# KiCad board data-center-rdimm-ddr4-tester.kicad_pcb (continued)
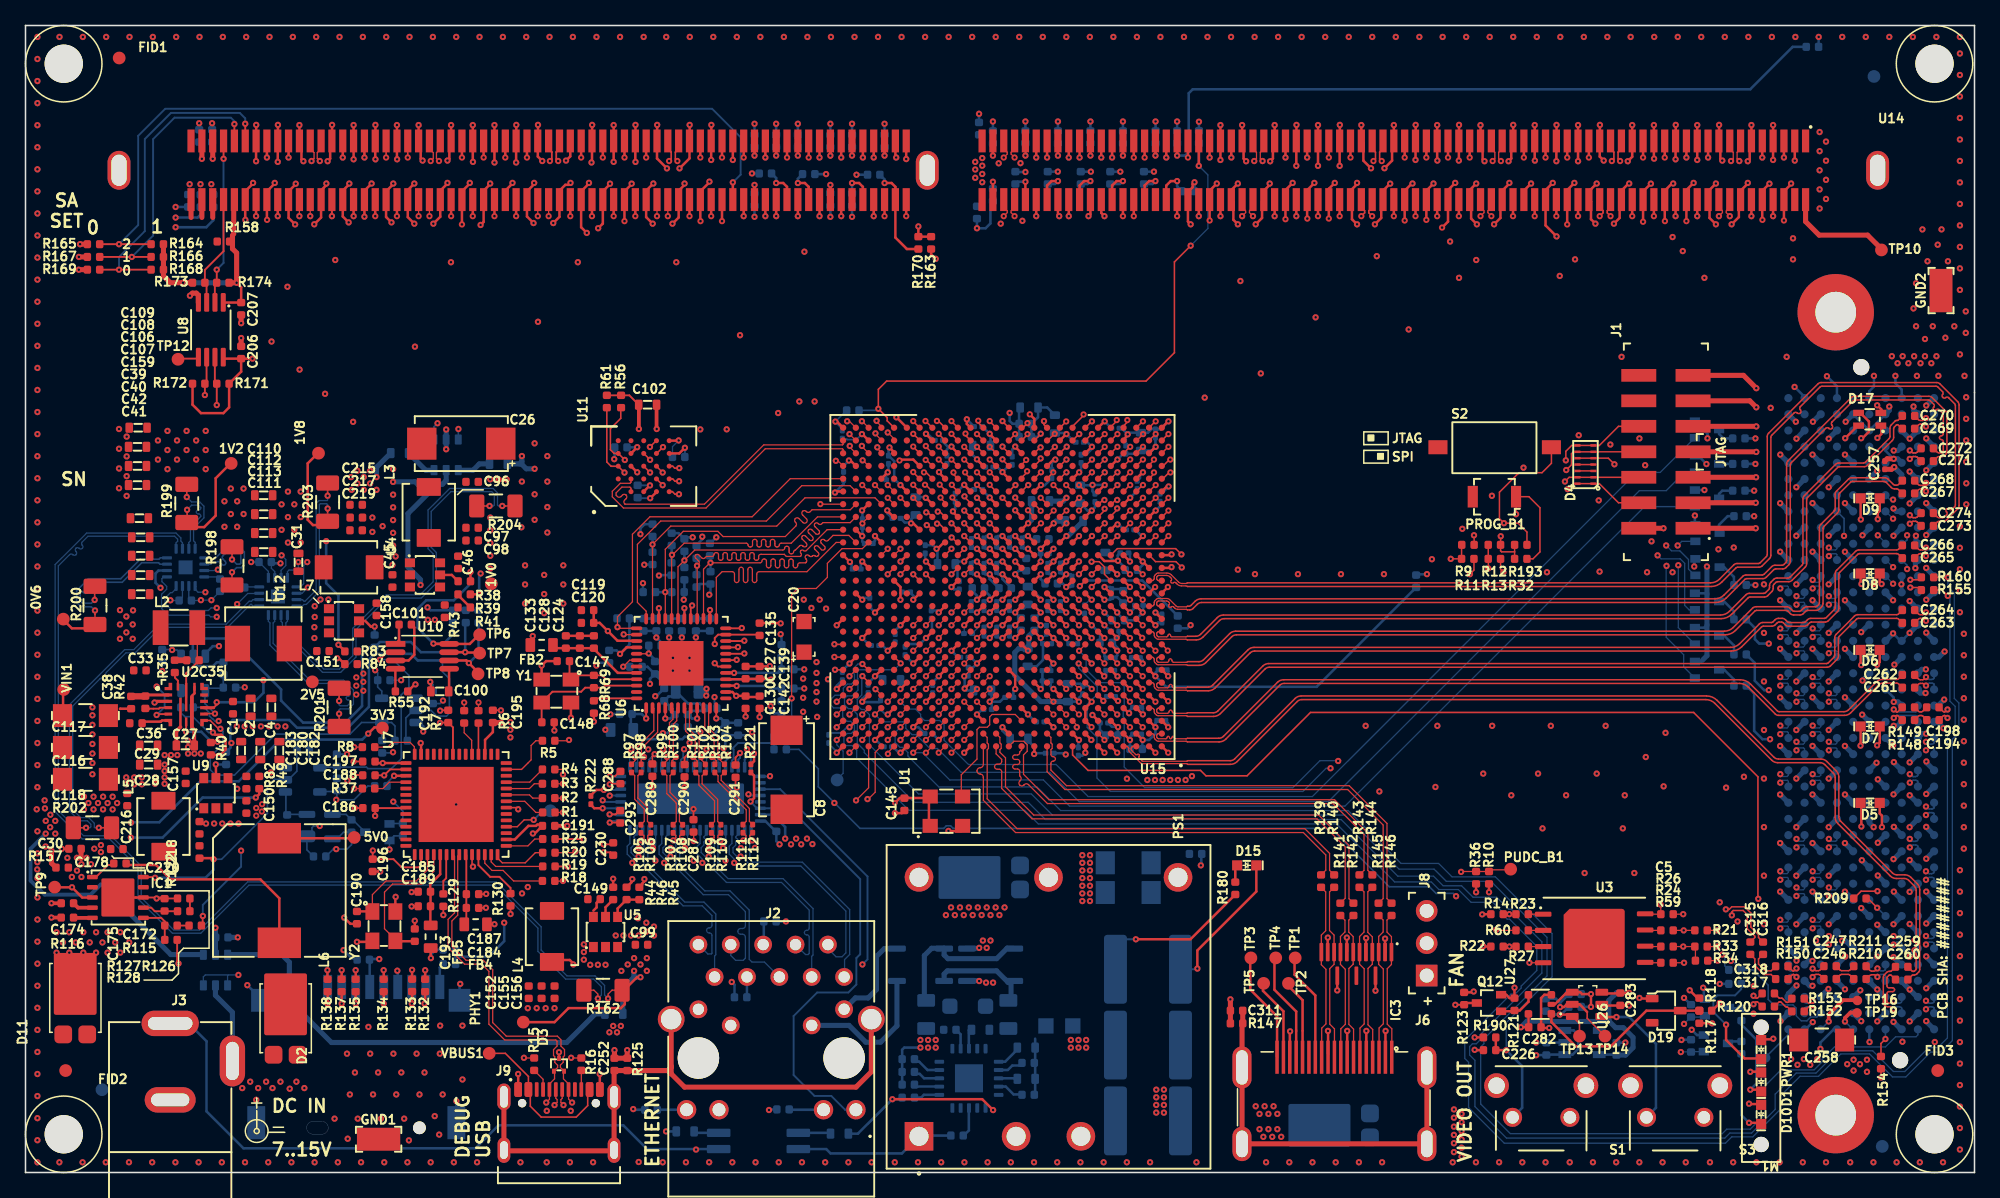
[diagram p0: board, top side]
## Routing (per net, layer and track width the routed paths; a pad name or vN(x,y) marks a point on that pad's centre or on a via; arc(x,y) is an arc through that point) (continued)
  Top w0.3: v1(48.12,58.34) 48.12,60.23 C102.1
  Top w0.4: v1(128.49,50.55) J1.2
  In3.Cu w0.25: v1(91.39,42.95) 90.91,43.43 83.43,43.43 83.3,43.3 83.3,43.05 83.41,42.94 v1(83.64,42.94)
  In3.Cu w0.4: v1(64.59,55.87) 64.57,55.87 63.6,54.9 ; v1(68.64,53.94) 68.13,53.43 65.07,53.43 63.6,54.9 ; 63.6,54.9 62.9,54.9 62.6,55.2 62.6,58.7 62.82,58.92 v1(63.53,58.92)
  In5.Cu w0.2: v1(145.6,46.17) 146.12,45.66 147.79,45.66 147.85,45.72 v1(147.85,45.9) ; 150.25,50.65 148.85,50.65 148.64,50.44 146.12,50.44 v1(145.29,51.27) ; 150.64,40.44 145.84,40.44 v1(145.25,39.84) ; 150.26,32.69 146.07,32.69 v1(145.25,33.52) ; 150.64,56.86 149.18,56.86 148.63,57.41 148.63,57.41 147.99,58.05 145.68,58.05 v1(145.27,57.64) ; 150.53,21.55 145.8,21.55 v1(145.28,22.08) ; v1(145.62,27.1) 146.12,27.6 147.96,27.6 148.63,26.93 148.63,26.93 148.91,26.65 150.45,26.65
  In5.Cu w0.3: v1(115.72,49.92) 113.7,49.92 v1(113.62,50)
  In5.Cu w0.4: v1(115.72,49.92) 119.12,49.92 119.75,50.55 119.85,50.55
  In5.Cu w1: 150.25,60.75 149.6,61.4 140.96,61.4 139.85,62.51 135.51,62.51 133.6,60.6 133.6,53.7 132.43,52.53 130.47,52.53 v1(128.49,50.55) 119.85,50.55
  Bottom w0.1: C235.1 19.28,47.42 19.55,47.15 19.55,46.66 ; v1(52.41,26.01) 52.41,26.01 52.41,26.85 ; R195.1 15.57,45.9 R194.1 14.58,44.92 v1(14.58,44.91) v1(13.76,44.91) 13.73,44.88 13.02,44.88 12.81,45.09 12.81,46.02 ; 21.26,45.45 21.7,45.45 v1(22.15,45.9)
  Bottom w0.12: v1(133.1,17.1) 133.3,16.9 133.3,16.22 133.62,15.9
  Bottom w0.127: R186.2 64.41,59.8 v1(63.53,58.92)
  Bottom w0.15: v1(49,52.91) 48.11,52.91 ; 63.02,34.34 63.17,34.49 63.99,34.49 64.44,34.94 v1(64.64,34.94) ; 67.07,36.41 67.07,36.33 67.46,35.94 v1(67.64,35.94) ; U16.4 48.91,32.39 v1(49.35,32.83) ; 51.72,56.15 v1(51.72,56.87) ; v1(52.09,33.72) 52.16,33.65 52.16,33.02 51.91,32.77 U16.10 ; v1(56.05,32.91) 56.05,32.54 55.91,32.4 U16.18 ; v1(45.82,28.1) 45.84,28.08 46.69,28.08 ; v1(45.83,31.09) 45.84,31.08 U16.56
  Bottom w0.2: R79.2 48.8,39.68 49.59,38.89 49.59,38.88 49.79,38.68 v1(58.49,38.68) ; R67.2 47.73,4.92 ; v1(58.32,4.9) 58.37,4.95 R62.2 ; R81.2 v1(61.09,39.48) ; R80.2 v1(61.09,37.98) ; 48.47,43.48 R78.2 47.37,41.42 v1(46.64,40.69) 46.36,40.96 C136.1 ; C123.1 C131.1 49.69,43.66 v1(49.69,44.28) ; v1(54.19,49.84) 53.71,49.36 R73.2 ; v1(68.64,42.94) 68.22,42.53 68.22,42.25 ; v1(78.64,35.94) 79.22,35.36 79.28,35.36 ; R70.2 51.24,50.16 R71.2 ; 67.97,33.4 68.05,33.4 68.51,32.94 v1(68.64,32.94) 68.56,32.94 ; C15.1 78.64,33.89 79.12,33.4 79.12,32.84 v1(79.12,32.84) 79.18,32.9 80.02,32.9 ; 71.17,34.44 71.17,34.41 v1(71.64,33.94) ; 71.16,37.61 71.16,37.46 v1(70.64,36.94) ; v1(63.64,37.94) 63.64,38.19 64.07,38.63 ; v1(66.64,49.94) 66.64,49.59 66.47,49.42 66.47,49.35 ; C12.1 84.71,48.64 85.35,48 v1(85.7,48) ; v1(63.53,58.92) 64.07,58.38 64.07,58.22 ; v1(67.77,56.89) 67.7,56.82 67.7,56.25 67.71,56.25 68.15,55.81 68.15,54.35 68.23,54.35 v1(68.64,53.94) ; v1(129.9,10.4) 129.92,10.42 R28.1 ; R76.2 48.99,38.73 v1(48.99,38.34) ; R72.2 52.64,49.24 53.09,49.69 v1(53.09,49.89) ; R57.1 130.63,13.17 v1(130.1,13.7) ; v1(74.64,35.94) 75.03,36.33 75.15,36.33 ; v1(31.8,16.83) 31.8,17.1 32.19,17.49 R131.1 ; v1(77.64,37.94) 77.5,37.8 C310.1 ; 57.64,28.08 58.56,28.08 58.9,27.73 58.97,27.73 59.59,27.11 v1(59.59,26.2) ; v1(48.44,46.24) 48.44,45.55 R74.2 ; 27,14.55 27,16.75 ; v1(85.7,48) 85.68,48.02 85.68,48.42 C300.1 ; v1(85.7,48) 86.26,47.43 86.26,47.28 ; R71.2 51.81,49.84 v1(52.34,49.84) ; R71.2 51.71,49.71 ; 84.29,41.58 84.29,42.29 v1(83.64,42.94) ; 64.18,54.97 64.18,55.45 v1(64.59,55.87) ; v1(65.62,51.95) 65.65,51.92 65.65,51.27 ; v1(80.64,39.94) 80.41,39.71 80.41,39.38 ; 82.59,33.35 82.59,33.89 v1(82.64,33.94) ; C10.1 27.03,16.75 v1(27.75,16.75) ; v1(91.39,42.95) 91.15,42.7 R58.1 ; 69,40.61 69,40.58 v1(69.64,39.94) ; C105.1 47.97,56.9 v1(47.98,56.91) ; v1(10.59,45.88) 10.2,46.27 10.2,47 10.43,47.23 11.1,47.23 ; v1(72.64,40.94) 73.15,40.42 73.33,40.42 ; 66.1,38.27 66.1,38.4 v1(66.64,38.94) 67.09,38.94 67.24,38.79 C3.1 ; v1(20,47.8) 19.39,47.8 C235.1 ; C78.1 73.82,37.83 v1(73.67,37.97) 73.67,38.69 73.95,38.97 73.95,38.98 ; v1(48.24,50.09) 48.24,50.54 48.57,50.87 R75.2 ; C6.1 69.47,51.24 v1(69.47,50.94) 69.41,51 68.97,51 68.65,51.33 68.65,51.33 ; 71.05,44.09 71.48,44.09 v1(71.64,43.94) ; v1(80.64,37.94) 80.42,38.16 C86.1 ; v1(45.49,34.74) 46.07,34.74
  Bottom w0.3: v1(1.59,26.59) 0.4,25.4 0.4,22.9 1.5,21.8 5.1,21.8 5.9,22.6 R114.2
  vias: v1(1.5,29.2) v1(1.53,28.58) v1(1.59,27.59) v1(1.94,27.09) v1(1.95,28.08) v1(2.34,27.59) v1(2.34,26.59) v1(47.67,4.98) v1(102.9,14.29) v1(146.4,64.05) v1(146.85,63.5) v1(147.25,64.05) v1(147.7,63.5) v1(148.15,64.05) v1(148.65,63.5) v1(149,64.05) v1(149.5,63.5) v1(149.9,64.05)
5V0_SYS: length 129.9
  Top w0.127: 24.6,37.58 24.6,38.3
  Top w0.2: 29.02,41.47 29.3,41.75 29.3,42.71 ; v1(14.7,34.53) 14.88,34.35 15.35,34.35 15.7,34 15.7,33.2 15.27,32.77 R40.2 ; C150.1 17.53,29.16
  In2.Cu w0.4: v1(14.9,19.2) 18.2,19.2 18.5,19.5 18.5,27.6 v2(18.1,28)
  In7.Cu w1: J8.1 106.66,12.2 91.3,12.2 87.55,8.45 72.25,8.45 66.9,3.1 52,3.1 51.25,2.35 49.65,2.35 48.6,3.4 48.6,9.7 47.1,11.2 46,11.2
  Bottom w0.127: 27.39,30.33 26.85,30.33 25.78,29.25 v1(24.38,29.25) 24.43,29.3 24.43,29.97 24.36,29.9 23.12,29.9 ; 12.17,38 12.17,36.51 12.19,36.5 12.19,36.09 12.5,35.77 13.12,35.77 14.36,34.53 v1(14.7,34.53) ; U18.4 24.43,26.18 24.95,26.7 R192.1 25.57,25.72 25.22,25.38 v1(24.38,25.38) 24.13,25.38 C233.1 ; v1(27.43,39.41) 27.62,39.22 27.62,38.09 27.95,37.77 27.95,37.21
  Bottom w0.2: R88.1 R87.1 R86.1 31.76,44.11 v1(31.54,44.34)
  Bottom w0.4: v1(30.99,46.1) 30.99,46.51 30,47.5 30,51.7 31.99,53.69 C284.1 32.24,54 32.7,54 33,54.3 33,55.1 ; 14.9,17.1 v1(14.9,19.2)
  vias: v1(45.8,11) v1(46.1,11.5) v1(46.3,18.6) v1(46.4,11) v1(46.7,11.5) v1(46.9,18.6) v1(47.5,18.6) v1(48.1,18.6) v2(18.1,28.6) v2(18.54,28.32) v2(18.56,28.9) v2(25.95,38.85) v2(25.95,38.2) v2(25.95,37.5) v2(26.5,39.15) v2(26.5,38.5) v2(26.5,37.8)
5V_ON_OFF: length 20.5
  Top w0.2: 123.75,14.05 125.06,14.05 C283.1 125.78,14.08 v1(125.8,14.1) ; 117.9,12.45 117.9,11.42 C282.1 v1(117.3,11.4)
  Bottom w0.2: U25.5 124.76,9.25 C281.1
  Bottom w0.4: v1(117.3,11.4) 117.78,11.88 119.75,11.88 119.78,11.85 124.06,11.85 124.2,11.99 ; C281.1 125.51,9.22 126.1,9.8 126.1,10.6 125.34,11.36 124.74,11.36 124.2,11.9 124.2,11.99 ; 124.2,11.99 124.2,13.5 124.8,14.1 v1(125.8,14.1)
/Ethernet/AVDDH: length 14.5
  Top w0.15: 48.69,36.53 v1(48.69,35.63) ; 54.19,36.53 v1(54.19,35.63)
  Bottom w0.2: v1(48.69,35.63) 48.34,35.97 C132.1 47.49,35.88 47.49,34.73 48.21,34 51.53,34 51.71,34.19 52.51,34.19 52.62,34.08 53.69,34.08 C137.1 ; C140.1 C137.1 ; C137.1 54.56,35.63 v1(54.19,35.63)
/Ethernet/AVDDL: length 10.6
  Top w0.15: 50.19,36.53 v1(50.19,35.63) ; 52.69,36.53 v1(52.69,35.63)
  Bottom w0.2: v1(52.69,35.63) 52.27,35.63 51.97,35.94 51.95,35.94 51.99,35.94 52.28,36.22 53.06,36.22 53.26,36.42 52.89,36.8 51.97,36.8 51.2,37.58 51.2,37.72 50.82,37.35 50.44,37.35 C121.1 50.5,36.61 50.5,36.36 50.93,35.94 50.62,35.63 v1(50.19,35.63)
/Ethernet/AVDDL_PLL: length 7.7
  Top w0.2: 44.59,41.08 46.46,39.2 48.01,39.2 ; 44.59,41.14 41.44,41.14 41.19,41.39
/Ethernet/VDD: length 17.3
  Top w0.2: R180.2 91.38,18.3 v1(87.1,18.3)
  Bottom w0.15: C224.1 85.5,18.12 85.68,18.3 v1(87.1,18.3)
  Bottom w0.2: v1(70.2,9.8) 68.93,9.8 68.76,9.64 R182.2 R181.2
  vias: v1(70.2,10.4) v1(70.8,10.4) v1(70.8,9.8) v1(71.4,10.4) v1(71.4,9.8) v1(82,10.4) v1(82,9.8) v1(82.6,10.4) v1(82.6,9.8) v1(83.2,10.4) v1(83.2,9.8)
/Ethernet/VDD_RAW: length 11.7
  Bottom w0.4: 77.46,17.59 77,17.59 76.18,16.78 72.35,16.78 72.06,17.08 72.06,17.59 71.08,17.59 70.51,17.03 70.51,13.47
/Ethernet/VSS: length 4.4
  Bottom w0.2: R161.1 79.2,6.16 79.2,10.5
/Ethernet/VSS_RAW: length 7.7
  Bottom w0.4: 72.06,15.06 72.06,15.58 72.31,15.83 76.18,15.83 77.09,14.91 77.31,14.91 77.31,13.47
/Supply/1V0_SEN_+: length 31.9
  Top w0.127: NT10.1 v1(36.4,52.3)
  Bottom w0.1: v1(36.4,52.3) 36.7,52.3 36.78,52.38 36.78,53.22 36.57,53.42 33.38,53.42 31.82,51.87 31.82,49.05 32.22,48.65 32.22,46.25 31.05,45.08 28.4,45.08 25.93,42.6 25.93,40.45 24.73,39.25 23.3,39.25 20.15,42.4 20.15,43.15 20.05,43.25 20.05,43.74
/Supply/1V0_SEN_-: length 31.9
  Top w0.127: NT14.1 v1(37.4,52.3)
  Bottom w0.1: 20.55,43.74 20.55,43.25 20.42,43.12 20.42,42.48 23.4,39.5 24.62,39.5 25.68,40.55 25.68,42.7 28.3,45.33 30.95,45.33 31.97,46.35 31.97,48.55 31.57,48.95 31.57,51.98 33.27,53.67 36.68,53.67 37.03,53.33 37.03,52.38 37.1,52.3 v1(37.4,52.3)
/Supply/1V8_SEN_+: length 10.3
  Top w0.127: 23.7,51.87 v1(23.7,52.1)
  Bottom w0.1: v1(23.7,52.1) 23.7,52.4 23.62,52.48 23.13,52.48 23.05,52.4 23.05,45.6 22.03,44.58 21.85,44.58 21.72,44.45 21.26,44.45
/Supply/1V8_SEN_-: length 10.3
  Top w0.127: NT13.1 v1(23.7,53.1)
  Bottom w0.1: v1(23.7,53.1) 23.7,52.78 23.65,52.73 23.02,52.73 22.8,52.5 22.8,45.7 21.92,44.83 21.85,44.83 21.72,44.95 21.26,44.95
/Supply/3V3_SEN_+: length 29.6
  Top w0.127: 5.99,27.05 v1(5.75,27.05)
  Bottom w0.1: v1(5.75,27.05) 5.45,27.05 5.4,27.1 5.4,27.4 4.95,27.85 4.33,27.85 3.7,28.48 3.7,36.6 5.84,38.74 arc(5.97,38.79) 6.09,38.74 6.1,38.74 arc(6.22,38.69) 6.34,38.74 arc(6.39,38.86) 6.34,38.98 6.34,38.99 arc(6.29,39.11) 6.34,39.24 7.88,40.78 8.6,40.78 10.6,42.78 15.85,42.78 17.65,44.58 17.72,44.58 17.85,44.45 18.34,44.45
/Supply/3V3_SEN_-: length 29.6
  Top w0.1: 4.51,27.05 v1(4.75,27.05)
  Bottom w0.1: v1(4.75,27.05) 5.05,27.05 5.12,27.12 5.12,27.32 4.85,27.6 4.22,27.6 3.45,28.37 3.45,36.7 7.77,41.03 8.5,41.03 10.5,43.03 15.75,43.03 17.55,44.83 17.72,44.83 17.85,44.95 18.34,44.95
/Supply/5V0_SEN_+: length 13
  Top w0.127: NT7.1 v1(24.6,36)
  Bottom w0.1: v1(24.6,36) 24.6,36.3 24.68,36.38 25.35,36.38 25.72,36.75 25.72,37.85 24.95,38.62 22.32,38.62 19.42,41.52 19.42,43.12 19.55,43.25 19.55,43.74
/Supply/5V0_SEN_-: length 13
  Top w0.127: NT11.1 v1(24.6,37)
  Bottom w0.1: 19.05,43.74 19.05,43.25 19.17,43.12 19.17,41.41 19.16,41.39 22.18,38.38 24.85,38.38 25.47,37.75 25.47,37.53 arc(25.43,37.42) 25.32,37.38 25.31,37.38 arc(25.2,37.33) 25.16,37.22 arc(25.2,37.12) 25.31,37.08 25.32,37.08 arc(25.43,37.03) 25.47,36.92 25.47,36.85 25.25,36.62 24.68,36.62 24.6,36.7 v1(24.6,37)
/Supply/VCC1V2_SEN_+: length 87.4
  Top w0.1: 44.56,14.3 44.6,14.3 44.9,14 v1(44.9,13.65)
  Bottom w0.1: 12.31,48.94 12.31,49.42 12.19,49.54 12.19,49.79 11.8,50.17 4.8,50.17 2.33,47.7 2.33,28.3 4.45,26.17 6.6,26.17 8.83,23.95 8.83,21.47 11.52,18.78 13.75,18.78 17.53,22.55 36.82,22.55 40.2,19.17 40.2,17.35 42.37,15.17 44.57,15.17 45.18,14.57 45.18,13.92 v1(44.9,13.65)
/Supply/VCC1V2_SEN_-: length 87.4
  Top w0.1: 46.04,14.3 46,14.3 45.7,14 v1(45.7,13.65)
  Bottom w0.1: v1(45.7,13.65) 45.43,13.92 45.43,14.68 44.68,15.42 42.48,15.42 40.45,17.45 40.45,19.28 36.93,22.8 17.42,22.8 13.65,19.03 11.63,19.03 9.08,21.58 9.08,24.05 6.7,26.42 4.55,26.42 2.58,28.4 2.58,47.6 3.46,48.48 arc(3.58,48.54) 3.71,48.48 3.71,48.48 arc(3.84,48.43) 3.96,48.48 arc(4.01,48.6) 3.96,48.73 3.96,48.73 arc(3.9,48.86) 3.96,48.98 arc(4.08,49.03) 4.2,48.98 4.21,48.97 arc(4.33,48.92) 4.46,48.97 arc(4.51,49.1) 4.46,49.22 4.45,49.23 arc(4.4,49.35) 4.45,49.47 4.9,49.92 11.7,49.92 11.94,49.69 11.94,49.53 11.81,49.41 11.81,48.94
/Supply/VCC_AUX_EN: length 59.1
  Top w0.2: 33.23,40.83 v1(34.49,40.83) 34.52,40.8 35.62,40.8
  In2.Cu w0.127: v1(32.32,58.79) 32.32,56.28 32.9,55.7 32.9,48.4 34.49,46.81 v1(34.49,40.83)
  Bottom w0.127: 32.05,57.5 32.05,58.52 v1(32.32,58.79)
  Bottom w0.2: 34.49,43.05 v1(34.49,40.83) 31.03,40.83 30.22,41.62 27.81,41.62 R48.1 26.98,41.2 26.4,40.62 26.4,36.6 25.1,35.3 21.78,35.3 20.05,37.03 20.05,37.9 16.05,41.9 13.42,41.9 13.12,41.6 13.12,40.09 13.49,39.73 14.7,39.73 15.01,40.03 R197.1
/Supply/VCC_INT_EN: length 29.6
  Top w0.2: 35.62,42.25 34.85,41.47 32.03,41.47 v1(32,41.5) ; R38.1 v1(34.91,47.12)
  In2.Cu w0.127: v1(33.96,58.34) 33.96,54.24 33.3,53.58 33.3,48.73 v1(34.91,47.12)
  Bottom w0.127: 33.95,57.5 33.95,58.33 v1(33.96,58.34)
  Bottom w0.2: R86.2 33.54,42.23 32.81,41.5 v1(32,41.5) 30.75,42.75 30.75,44.22 31.43,44.9 33.6,44.9 34.91,46.21 v1(34.91,47.12)
/Supply/VCC_IO_EN: length 92.9
  Top w0.2: R44.1 v1(46.1,23.05) ; 33.23,40.17 34.57,40.17 v1(34.78,39.97) 35.5,39.25
  In7.Cu w0.1: v1(16.15,33.7) 16.15,31.75 12.9,28.5 12.9,19.3 v1(16.7,15.5)
  In7.Cu w0.15: v1(34.78,39.97) 39.1,39.97 42.95,36.12 42.97,36.12 44.85,34.25 44.85,24.3 v1(46.1,23.05)
  Bottom w0.1: 15.85,14.7 15.85,15.45 15.9,15.5 ; 15.9,15.5 14.1,15.5 13.95,15.35 13.95,14.7 ; 15.9,15.5 v1(16.7,15.5)
  Bottom w0.127: 32.71,40.18 32.71,39.29 33.25,38.75 33.25,36.04 33.02,35.81 32.26,35.81 31.81,36.26 30.43,36.26 29.84,35.67 29.84,34 R196.1
  Bottom w0.2: R88.2 35.54,40.73 v1(34.78,39.97) 34.57,40.18 30.77,40.18 30.25,40.69 27.4,40.69 26.94,40.24 26.94,36.54 25.3,34.9 21.3,34.9 20.7,35.5 16.25,35.5 16.07,35.32 16.07,33.32 R47.1
/Supply/VDDQ_SEN_+: length 5.6
  Top w0.127: NT2.1 v1(12.67,52)
  Bottom w0.1: U19.11 12.81,49.44 12.94,49.56 12.94,50.66 13.75,51.48 13.75,51.53 arc(13.71,51.63) 13.6,51.67 13.55,51.67 arc(13.44,51.72) 13.4,51.83 arc(13.44,51.93) 13.55,51.97 13.6,51.97 arc(13.71,52.02) 13.75,52.12 13.75,52.17 13.56,52.36 13.04,52.36 v1(12.67,52)
/Supply/VDDQ_SEN_-: length 5.6
  Top w0.127: NT4.1 v1(12.65,53)
  Bottom w0.1: U19.12 13.31,49.44 13.19,49.56 13.19,50.56 14,51.37 14,52.28 13.66,52.61 13.04,52.61 v1(12.65,53)
GND: length 936.5
  Top w0.1: R34.2 v1(132.73,16.62) ; 51.22,57.42 v1(51.24,57.44) ; v1(67.6,51.95) 67.6,51.93 ; R16.2 42.81,8.98 v1(42.8,9) ; 85.61,34.96 85.69,34.96 v1(85.7,34.95) ; v1(63.5,53.36) 63.58,53.44 ; 119.18,16.46 v1(117.97,16.46) ; 85.68,38.9 85.68,38.91 v1(85.66,38.93) ; 83.61,33.97 v1(83.61,33.94) ; v1(89.9,47.5) 89.84,47.44 ; 85.58,37 v1(85.7,37) ; R15.1 39.12,8.98 v1(39.1,9) ; 29.14,79.51 v1(29.15,79.5) ; C5.2 v1(130.04,20.27) ; v1(89.9,48.5) 89.84,48.44 ; U15.F7 v1(83.64,37.94) ; 89.6,36.98 v2(89.64,36.98)
  Top w0.12: v1(124.64,55.57) 124.16,56.05 D4.5 D4.10 ; R11.2 113.62,47.27 v1(113.3,46.95) ; R13.2 115.71,47.32 v1(115.93,47.1)
  Top w0.127: v2(88.64,40.94) U15.J2 ; 77.64,51.94 v1(77.64,51.96) ; 87.64,54.94 v1(87.66,54.94) ; v1(80.78,55.94) 80.77,55.93 80.63,55.93 ; 83.64,56.94 v1(83.66,56.94) ; 28.91,31.13 v1(28.91,31.13) ; v1(38.65,28.5) 38.52,28.63 37.72,28.63 ; v2(89.6,40.95) 89.6,40.98 U15.J1 ; U15.V15 v1(74.64,50.94) ; 89.64,58.94 v1(89.66,58.94) ; 72.64,56.94 v1(72.64,56.96) ; 87.6,41.98 v2(87.6,41.95) ; 70.64,52.94 v1(70.62,52.94) ; 73.64,53.94 v1(73.64,53.96) ; 65.64,57.94 v1(65.61,57.94) ; 88.64,51.94 v1(88.66,51.94) ; v1(68.31,59.26) 68.32,59.26 ; 76.64,54.94 v1(76.64,54.96) ; 35.03,24.94 35.03,24.07 v1(35.1,24) ; 75.64,57.94 v1(75.64,57.96) ; 81.64,52.94 v1(81.66,52.94) ; 84.64,53.94 v1(84.66,53.94) ; v1(85.66,50.85) 85.55,50.85
  Top w0.15: 26.45,31.19 25.74,31.19 ; C192.2 32.56,36.27 v1(32.53,36.24) ; 46.66,27.39 46.59,27.46 v1(45.83,27.46) ; C186.2 25.84,28.59 v1(25.83,28.6) ; 55.7,31 55.7,30.3 v1(55.8,30.2) ; v1(10.29,21.5) 10.3,21.49 10.91,21.49 ; v1(37.3,36.26) 37.29,36.27 C195.2 ; v1(36.12,20.77) 36.11,20.76 35.55,20.76 ; C196.2 27.82,23.62 v1(27.83,23.62) ; v1(49.16,30.23) 49.18,30.25 49.18,31.09 ; C197.2 25.74,32.25 v1(25.74,32.24) ; 52.19,43.38 52.19,44.39 v1(52.29,44.49) ; v1(12,16.4) 11.9,16.5 R128.2 ; R129.1 v1(32.78,20.2) ; v1(45.83,30.46) 45.88,30.5 46.67,30.5 ; 49.5,58.35 v1(49.51,58.34) ; 51.7,31.04 51.7,30.24 v1(51.68,30.22) ; 46.1,24.9 45.88,25.12 v1(45.35,25.12) ; 35.55,21.84 36.12,21.84 v1(36.14,21.86) ; 11.93,21.5 10.93,21.5 ; 9.29,21.58 10.82,21.58 ; v1(52.4,28.52) C287.2
  Top w0.2: 56.49,36.34 v1(56.49,35.78) ; C127.2 C139.2 58.36,39.71 v1(58.39,39.74) ; C133.1 C128.1 C124.1 ; C147.2 40.84,40.13 v1(40.49,39.78) 40.49,38.68 ; v1(41.49,34.68) 41.47,34.69 41.47,35.33 ; 42.79,36.88 v1(42.79,35.68) ; R68.1 v1(44.59,35.38) ; v1(106.65,18.35) 106.65,18.35 106.65,17.32 ; v1(105.16,18.39) 105.15,18.38 105.15,17.32 ; v1(103.65,18.43) 103.65,18.43 103.65,17.32 ; v1(102.16,18.43) 102.15,18.42 102.15,17.32 ; v1(106.69,11.11) 106.68,11.12 106.68,9.32 ; 105.18,11.11 v1(105.18,11.11) ; 105.18,11.12 105.18,9.31 ; 103.68,11.11 v1(103.68,11.11) ; 103.68,11.12 103.68,9.31 ; 102.18,11.12 v1(102.17,11.11) ; 102.18,11.12 102.18,9.32 ; 99.18,11.1 v1(99.2,11.08) ; 99.18,11.12 99.18,9.3 ; U15.A26 v1(63.64,32.94) ; U15.J12 v2(78.64,40.94) ; U15.B13 v1(76.64,34.94) ; U15.M4 v1(86.64,43.94) ; U15.T3 v1(87.64,47.94) U15.R2 ; 48.47,53.4 48.97,53.9 ; 47.48,55.44 47.98,54.94 ; U15.L16 v1(73.64,42.94) ; v1(48.55,23.02) 48.55,22.85 48.37,22.67 48.37,22.61 R46.2 ; v1(102.7,77.65) 102.24,77.19 v2(102.24,74.85) ; U15.R14 v1(75.64,47.94) ; v1(95.44,82.19) U14.53 95.55,80.83 95.55,79.55 v1(95.75,79.35) ; v1(42.4,79.4) 42.74,79.74 U14.109 ; v1(49.55,82.2) 49.55,80.95 49.54,80.94 49.54,79.57 v1(50.32,78.79) ; v1(25.74,82.19) U14.129 v1(25.74,79.5) ; v1(99.7,82.2) 99.7,80.95 U14.48 v1(99.69,78.99) ; U15.U10 v1(79.64,48.94) ; v2(100.55,74.85) 100.54,74.86 100.54,77.07 101.1,77.64 v1(101.1,77.65) ; C100.2 31.8,38.45 v1(31.75,38.5) ; v1(19.55,77.65) 19.55,77.6 18.94,76.99 18.94,74.76 v3(18.95,74.75) ; v1(114.14,82.19) 114.14,80.94 114.3,80.78 114.3,79.5 v1(114.45,79.35) ; 135.39,80.94 135.37,80.93 ; 135.39,80.94 135.25,80.8 135.25,79.5 v1(135.1,79.35) ; 135.39,80.94 v1(135.39,82.19) ; v1(119.8,77.65) 119.24,77.09 119.24,74.31 v1(120.1,73.45) ; v1(120.1,82.2) 120.1,80.95 U14.24 v1(120.09,79.35) ; v1(40.2,82.2) 40.2,80.95 U14.112 40.19,79.72 v1(40.54,79.37) ; v1(28.71,74.55) 28.29,74.97 28.29,76.99 28.85,77.55 v1(28.85,77.6) ; C189.2 30.3,20.89 v1(30.29,20.88) ; v1(17.85,77.65) 17.85,77.6 17.24,76.99 17.24,74.76 v1(17.25,74.75) ; v1(104.79,82.19) U14.42 104.95,80.78 104.95,79.39 v1(105.55,78.8) ; v1(59.24,43.09) 59.22,43.11 C135.2 ; U15.M23 v1(66.64,43.94) ; v1(110.74,82.19) 110.74,79.41 v1(110.75,79.4) ; v2(89.61,45.94) 89.11,45.44 ; v1(51.3,78.79) 52.09,79.57 52.09,80.94 52.1,80.95 v1(52.1,82.2) ; v1(137.09,79.45) v1(137.09,82.19) ; v1(36.45,77.6) 36.45,77.55 35.94,77.04 35.94,74.59 v1(35.7,74.35) ; v1(125.8,77.6) 125.75,77.6 125.19,77.03 ; U15.W2 88.64,51.94 ; C190.2 25.48,19.52 v1(25,20) ; v1(42.75,77.65) 42.6,77.5 42.35,77.5 41.89,77.04 41.89,77.03 ; U15.R24 v1(65.64,47.94) ; U15.K19 v1(70.64,41.94) ; 97.99,80.94 97.85,80.8 97.85,79.56 v1(97.64,79.35) ; 97.99,80.94 97.97,80.93 ; 97.99,80.94 v1(97.99,82.19) ; Y2.2 27.13,18.1 v1(26,18.1) ; v1(116.8,14.5) R121.2 116.41,13.69 116.15,13.95 Q12.2 ; U15.R8 v1(82.64,47.94) ; v1(33.1,79.4) 33.25,79.55 33.25,80.8 33.39,80.94 ; U15.L1 v1(88.64,43.94) ; v1(33.39,82.19) 33.39,80.94 ; 33.39,80.94 33.37,80.93 ; U15.B23 v1(66.64,33.94) ; U15.A6 v2(84.64,32.94) ; v1(46.14,79.3) v1(46.14,82.19) ; v2(78.78,59.49) 79.14,59.13 U15.AF11 ; v1(130.85,77.65) 130.29,77.09 v3(130.29,74.65) ; U15.AA16 73.64,53.94 ; v1(103.09,78.99) 103.09,80.94 103.1,80.95 v1(103.1,82.2) ; U15.AD17 72.64,56.94 ; v1(95.1,77.6) 94.59,77.09 94.59,76.34 94.75,76.18 94.75,74.75 v1(95.1,74.4) ; 83.62,34.95 U15.C7 U15.D7 v2(83.64,36.94) U15.E7 ; v1(35.1,79.3) 35.09,79.31 v1(35.09,82.19) ; v1(19.8,82.2) 19.8,80.95 19.79,80.94 v1(19.79,79.3) ; v1(116.7,82.2) 116.7,80.95 116.55,80.8 116.55,79.56 v1(116.34,79.35) ; v2(120.94,74.39) 120.94,77.09 v1(121.5,77.65) ; U15.AC20 69.64,55.94 68.63,55.94 v2(68.56,55.87) ; v1(135.1,77.65) 135.1,77.6 134.54,77.03 ; U15.AE14 75.64,57.94 ; U15.U12 v1(77.64,49.94) ; U15.N10 v1(80.64,44.94) ; 85.55,50.85 U15.V5 ; v1(86.46,57.92) 86.46,57.84 86.14,57.52 U15.AE4 ; 138.79,80.94 v1(138.79,79.4) ; v1(41.4,74.5) 41.89,74.99 41.89,76.34 ; U15.U18 72.04,49.44 71.54,48.94 v1(71.47,48.94) ; v1(72.4,26.8) 72.41,26.79 73.41,26.79 ; U15.P11 v1(79.64,46.94) ; v3(136.25,74.75) 136.24,74.76 136.24,77.03 v1(136.8,77.59) ; v1(44.03,73.73) 43.59,74.17 43.59,76.99 44.2,77.6 v1(44.2,77.65) ; U15.T9 v1(80.64,47.94) U15.R10 ; v3(92.89,74.7) 92.89,77.04 v1(93.45,77.6) ; v1(23.7,79.35) 23.9,79.55 23.9,80.8 24.05,80.95 v1(24.05,82.2) ; v2(126.89,74.6) 126.89,76.98 v1(127.5,77.59) ; v1(38.5,82.2) 38.5,80.95 ; v1(129.45,82.2) 129.45,80.95 129.44,80.94 v1(129.44,79.5) ; U15.AA6 84.64,53.94 ; v1(22.65,74.4) 23.19,74.94 23.19,77.06 23.6,77.48 v1(23.6,77.6) ; v1(118.1,77.6) 117.54,77.04 117.54,76.34 ; U15.AB13 76.64,54.94 ; U15.L5 v3(85.64,42.94) ; 89.84,47.44 U15.R1 ; U15.U14 v1(75.64,49.94) ; v1(110.45,77.6) 109.89,77.04 v2(109.89,74.75) ; 85.68,38.9 U15.G5 ; v1(91.7,77.7) 91.55,77.55 91.55,77.3 91.19,76.94 91.19,74.61 v1(91.4,74.4) ; v1(113.68,9.62) 113.7,9.6 114.37,9.6 ; 37.64,76.34 37.64,77.04 38.2,77.6 v1(38.2,77.65) ; v1(36.79,82.19) v1(36.79,79.25) ; v1(45.85,77.59) 45.85,77.55 45.29,76.99 45.29,74.46 v1(44.92,74.09) ; v1(44.4,79.25) 44.44,79.29 U14.107 44.45,80.95 v1(44.45,82.2) ; v1(123.5,82.2) 123.5,80.95 123.49,80.94 123.49,79.71 v1(123.8,79.4) ; U15.C5 85.61,34.96 ; U15.Y19 70.64,52.94 ; v1(125.8,13.1) 125.78,13.11 C283.2 125.09,13.1 123.75,13.1 ; v1(123.25,77.6) 122.64,76.99 122.64,76.34 122.8,76.18 122.8,74.8 v1(123.15,74.45) ; v1(38.64,7.73) 38.65,7.73 38.65,6.59 ; U15.H15 v1(74.64,39.94) ; v1(26.59,75) 26.59,77.04 v1(27.15,77.6) ; v1(30.59,38.3) 30.53,38.3 R55.2 ; v1(21.15,74.39) 20.64,74.9 20.64,76.99 21.2,77.55 v1(21.2,77.59) ; v1(107.05,77.59) 107.04,77.59 106.49,77.03 ; 80.63,55.93 U15.AC10 ; v1(118.4,79.4) 118.39,79.41 v1(118.39,82.19) ; U15.E14 v1(75.64,36.94) ; U15.G1 v1(89.64,38.94) ; v1(129.25,77.6) 129.15,77.6 128.59,77.04 128.59,74.66 v2(128.6,74.65) ; C145.2 68.73,28.2 v1(68.2,28.2) ; U15.M11 v1(79.64,43.94) ; U15.V25 v1(65.64,49.94) ; v2(86.64,41.94) U15.K4 ; U15.A1 v2(89.64,32.94) ; v1(124.6,74.45) 125.05,74.9 125.05,76.2 125.19,76.34 ; 30.27,42.99 30.5,42.76 30.5,40.62 30.05,40.17 29.02,40.17 ; 54.64,76.34 v2(54.64,74.65) ; v1(101.39,82.19) v1(101.39,78.99) ; v1(112.45,82.2) 112.45,80.95 112.44,80.94 v1(112.44,79.4) ; v1(126.6,13.7) 126.65,13.65 127.65,13.65 ; U15.M15 v1(74.64,43.94) ; U15.P12 v1(77.64,46.94) ; 3.36,25.4 v1(2.85,25.4) ; 106.49,76.34 106.35,76.2 106.35,74.9 v1(105.85,74.4) ; 107.34,80.94 107.2,80.8 107.2,79.4 v1(106.6,78.8) ; 107.34,80.94 v1(107.34,82.19) ; 107.34,80.94 107.32,80.93 ; U15.J22 v1(67.64,40.94) ; U2.16 13.26,37.6 13.05,37.4 13.05,36.14 13.06,36.13 ; U15.K11 v1(79.64,41.94) ; 115.84,77.03 116.4,77.6 v1(116.4,77.65) ; v2(108.19,74.7) 108.19,77.04 108.75,77.6 v1(108.8,77.6) ; v1(47.85,82.2) 47.85,80.95 47.84,80.94 47.84,79.31 v1(47.85,79.3) ; v1(53.65,77.75) 53.65,77.7 52.94,76.99 52.94,74.66 v2(52.95,74.65) ; U15.E24 v1(65.64,36.94) ; U15.F21 v1(68.64,37.94) ; v1(53.8,82.2) 53.8,80.95 53.79,80.94 v1(53.79,79.45) ; v2(88.61,45.94) 88.11,45.44 ; U15.C20 v1(69.64,34.94) ; v1(112.15,77.65) 111.59,77.09 111.59,74.61 v2(111.12,74.14) ; v1(126.04,82.19) 126.04,79.7 v1(125.69,79.35) ; U15.P17 v1(72.64,45.94) ; v2(86.64,45.94) U15.P4 ; 41.85,8.85 v1(41.85,9.44) ; U15.T21 v1(68.64,47.94) ; v2(34.24,74.39) 34.24,76.99 34.85,77.6 v1(34.85,77.65) ; U15.L10 v1(80.64,42.94) ; v1(33.1,77.65) 33.1,77.6 32.54,77.04 32.54,74.99 v1(31.99,74.45) ; v1(132.6,77.6) 131.99,76.99 131.99,76.34 132.1,76.23 132.1,74.9 v1(132.6,74.4) ; U15.U8 v1(82.64,49.94) ; 29.84,31.13 28.91,31.13 ; U14.94 v1(55.49,79.45) ; U15.N12 v1(77.64,44.94) ; 119.7,13.95 119.15,13.95 118.88,13.69 C282.2 118.94,11.34 v1(119.52,11.34) ; U15.N5 v1(84.64,45.94) ; U15.H25 v1(64.64,39.94) ; U15.D17 v1(72.64,35.94) ; U15.AD7 83.64,56.94 ; v1(99.4,77.65) 98.84,77.09 v3(98.84,74.8) ; U15.L14 v1(75.64,42.94) ; v1(39.85,74.5) 39.34,75.01 39.34,76.99 39.9,77.55 v1(39.9,77.65) ; v1(30.5,74.45) 29.99,74.96 29.99,77.09 v1(30.5,77.6) ; U15.K13 v1(76.64,41.94) ; U15.F3 v2(87.64,37.94) ; 45.05,6.59 45.05,7.73 v1(45.04,7.73) ; v1(132.9,13.3) 132.3,12.7 R120.1 ; U15.H7 v1(83.64,39.94) ; U15.F11 v1(79.64,37.94) ; v1(127.75,79.55) 127.74,79.56 U14.15 v1(127.74,82.19) ; v1(104.45,74.4) 104.05,74.8 104.05,76.23 103.94,76.34 103.94,77.04 104.45,77.55 v1(104.45,77.65) ; C193.2 v1(30.54,19.75) ; U15.A2 v2(88.64,32.94) ; U15.R5 v1(85.64,46.94) ; U15.T13 v1(76.64,48.94) ; v1(138.5,77.6) 138.5,77.55 137.94,76.99 v3(137.94,74.7) ; v1(50.75,74.45) 51.24,74.94 51.24,77.03 51.7,77.5 v1(51.7,77.6) ; 63.58,53.44 U15.AA26 ; U15.A5 v2(85.64,32.94) ; v1(49.25,77.6) 48.69,77.04 48.69,74.96 v1(49.2,74.45) ; U15.B7 83.61,33.97 ; v1(25.35,74.55) 24.89,75.01 24.89,77.04 25.4,77.55 v1(25.4,77.6) ; v1(27.45,79.5) 27.44,79.51 U14.127 27.45,80.95 v1(27.45,82.2) ; U15.T4 v1(86.64,47.94) ; 31.03,32.82 31.03,33.67 v1(31,33.7) ; v1(30.29,22) 30.31,22.03 C185.2 ; U15.F4 v2(86.64,37.94) ; 29.14,79.51 v1(29.14,82.19) ; 97.14,76.34 97,76.2 97,74.9 v1(96.5,74.4) ; U15.E2 v2(88.64,36.94) ; v1(24.45,40.35) 24.58,40.35 25.04,39.89 ; U15.A16 v1(73.64,32.94) ; v1(30.84,82.19) 30.84,80.94 31,80.78 31,79.55 v1(31.15,79.4) ; U15.P15 v1(74.64,46.94) ; U15.AB3 87.64,54.94 ; 89.84,48.44 U15.T1 ; U15.Y9 81.64,52.94 ; v1(47.55,77.59) 47.55,77.55 46.99,76.99 v2(46.99,74.65) ; v1(121.79,79.35) U14.22 v1(121.79,82.19) ; U15.G8 v2(82.64,38.94) ; U15.K7 v1(83.64,41.94) ; v1(115.2,74.4) 115.7,74.9 115.7,76.2 115.84,76.34 ; v1(29.04,21.63) 29.01,21.6 Y2.4 ; U15.J5 v1(85.64,40.94) ; U15.B4 v1(86.64,33.94) ; U15.W12 77.64,51.94 ; v1(21.49,82.19) U14.134 21.65,80.78 21.65,79.5 v1(21.8,79.35) ; U15.E1 89.6,36.98 ; U15.K9 v1(81.64,41.94) ; v2(87.64,45.94) U15.P3 ; v1(109.05,82.2) 109.05,80.95 U14.37 v1(109.04,79.45) ; U15.C10 v1(80.64,34.94) ; U15.N20 v1(69.64,44.94) ; U15.AB23 v1(67.64,54.94) ; U15.N11 v1(79.64,44.94) ; U11.E5 51.22,57.42 ; v1(113.85,74.4) 113.4,74.85 113.4,76.23 113.29,76.34 113.29,77.09 v1(113.8,77.6) ; U15.N14 v1(75.64,44.94) ; 8.04,36.39 7.43,36.39 7.41,36.38 ; v1(133.83,74.4) 134.4,74.97 134.4,76.2 134.54,76.34 ; 7.29,21.58 9.29,21.58 ; U15.AF1 89.64,58.94 ; 67.6,51.93 68.09,51.44 ; U15.P13 v1(76.64,46.94) ; U15.L12 v1(77.64,42.94) ; U15.R11 v1(79.64,47.94) ; 68.32,59.26 U15.AF21 ; v1(131.14,79.45) v1(131.14,82.19) ; U15.E5 85.58,37 ; v1(93.74,79.45) v1(93.74,82.19) ; U15.A7 v1(83.14,32.94) ; U15.K3 87.6,41.98 ; U15.AE24 65.64,57.94 ; U15.G18 v1(71.64,38.94) ; U15.N7 v1(83.64,44.94) ; U15.D4 v1(86.57,36.04) ; v1(133.1,79.4) 132.95,79.55 132.95,80.83 132.84,80.94 132.85,80.95 v1(132.85,82.2) ; U15.R12 v1(77.64,47.94) ; U15.T11 v1(78.64,48.94) ; v1(97.6,77.6) 97.6,77.5 97.14,77.03 ; U14.114 v1(38.49,79.25) ; U15.T15 v1(74.64,48.94) ; U15.M13 v1(76.64,43.94) ; U15.P9 v1(81.64,46.94) ; v1(18.1,82.2) 18.1,80.95 18.09,80.94 v1(18.09,79.35) ; R36.2 v1(113.79,21.99) ; 57.59,36.34 v1(57.59,35.74) ; U15.M7 v1(83.64,43.94) ; U15.L26 v1(63.64,42.94) ; U15.C1 v1(89.64,34.94) ; U15.H4 v1(86.64,39.94) ; U15.M9 v1(81.64,43.94)